# Altium PCB ControlBoard.PcbDoc (part 1 of 3) (continued)
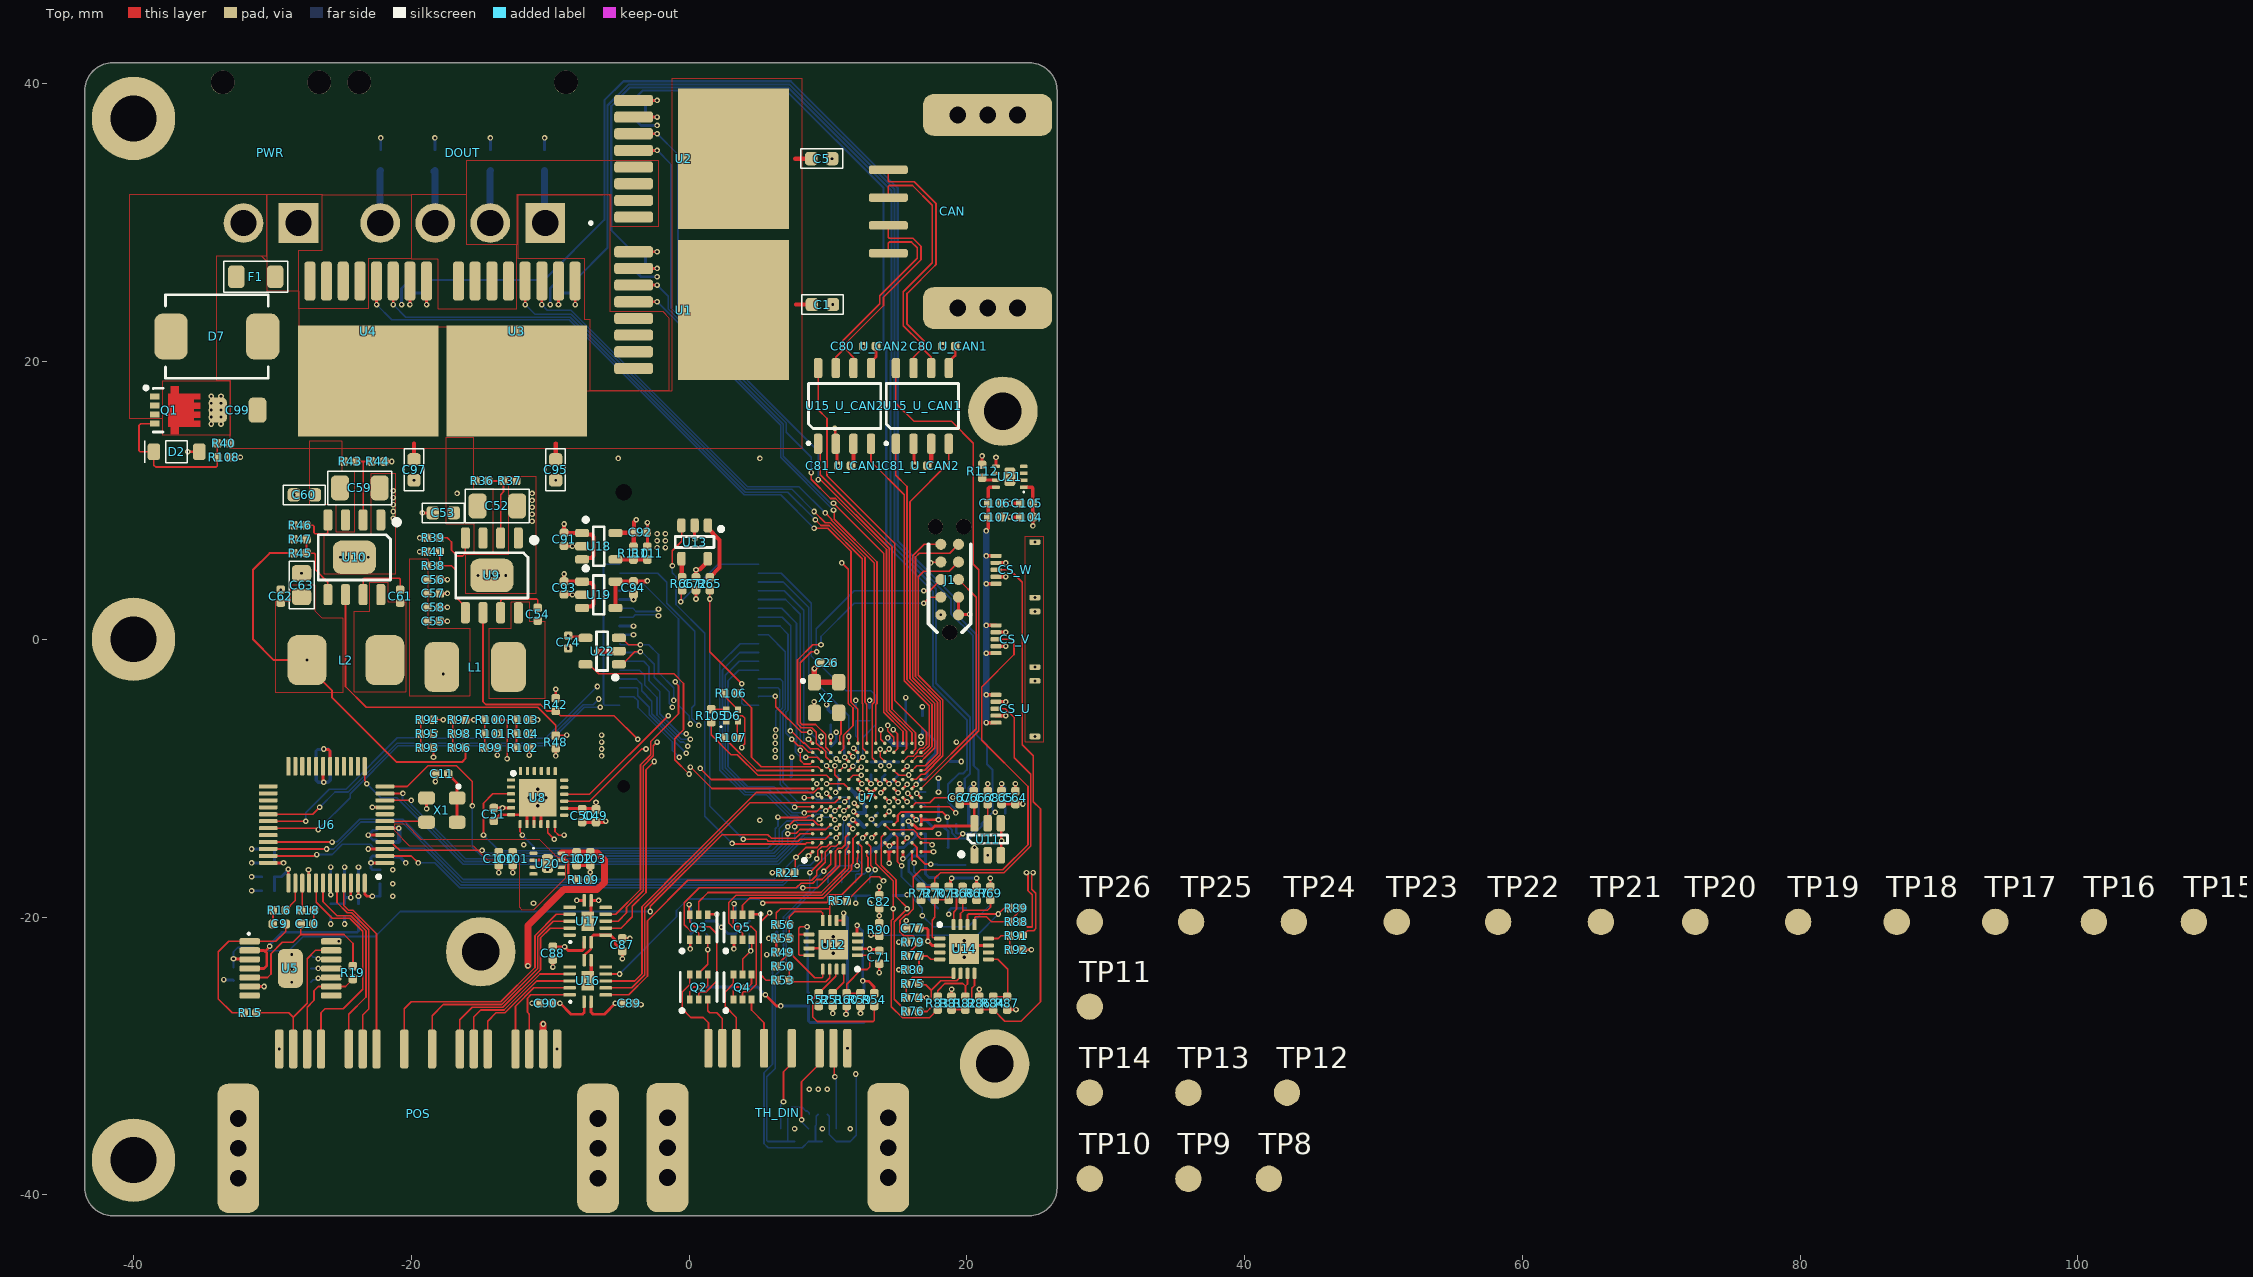
[diagram p0: Top view]
## Part data (continued)
D3 D4 D5: library part BAS16H, "Diode, Rectifier, Switching, Vr 75VDC, If 200MA, Pkg SOD-323, Vf 1250MV, Trr 6NS, Cj 2PF", Average Rectified Current=200mA, Breakdown Voltage=75V, Forward Voltage=715mV, Manufacturer=onsemi, Manufacturer Lifecycle Status=ACTIVE, Max Forward Surge Current (Ifsm)=500mA, Max Operating Temperature=150°C, Max Power Dissipation=200mW, Max Repetitive Reverse Voltage (Vrrm)=85V, Max Reverse Leakage Current=1µA, Max Reverse Voltage (DC)=100V, Max Surge Current=600mA, Min Operating Temperature=-55°C, Supplier Part Number=BAS16HT1GOSCT-ND, Category="Rectifier Diodes", China RoHS=Compliant, ComponentLink1Description=https://datasheet.octopart.com:443/BAS16HT1G-ON-Semiconductor-datasheet-115937.pdf?src-supplier=element14+APAC, ComponentLink1URL=https://datasheet.octopart.com:443/BAS16HT1G-ON-Semiconductor-datasheet-115937.pdf?src-supplier=element14+APAC, ComponentLink2Description=https://datasheet.octopart.com:443/BAS16HT1G-ON-Semiconductor-datasheet-67293425.pdf?src-supplier=element14+APAC, ComponentLink2URL=https://datasheet.octopart.com:443/BAS16HT1G-ON-Semiconductor-datasheet-67293425.pdf?src-supplier=element14+APAC, ComponentLink3Description=https://datasheet.octopart.com:443/BAS16HT1G-ON-Semiconductor-datasheet-86781274.pdf?src-supplier=element14+APAC, ComponentLink3URL=https://datasheet.octopart.com:443/BAS16HT1G-ON-Semiconductor-datasheet-86781274.pdf?src-supplier=element14+APAC, ComponentLink4Description=https://datasheet.octopart.com:443/BAS16HT1G-onsemi-datasheet-180957826.pdf?src-supplier=IHS, ComponentLink4URL=https://datasheet.octopart.com:443/BAS16HT1G-onsemi-datasheet-180957826.pdf?src-supplier=IHS, ComponentLink5Description=https://datasheet.octopart.com:443/BAS16HT1G-ON-Semiconductor-datasheet-30892817.pdf?src-supplier=IHS, ComponentLink5URL=https://datasheet.octopart.com:443/BAS16HT1G-ON-Semiconductor-datasheet-30892817.pdf?src-supplier=IHS, ComponentLink6Description=https://datasheet.octopart.com:443/BAS16HT1G-ON-Semiconductor-datasheet-33006779.pdf?src-supplier=Upverter, ComponentLink6URL=https://datasheet.octopart.com:443/BAS16HT1G-ON-Semiconductor-datasheet-33006779.pdf?src-supplier=Upverter, ComponentLink7Description=https://datasheet.octopart.com:443/BAS16HT1G-ON-Semiconductor-datasheet-137916682.pdf?src-supplier=onsemi, ComponentLink7URL=https://datasheet.octopart.com:443/BAS16HT1G-ON-Semiconductor-datasheet-137916682.pdf?src-supplier=onsemi, ComponentLink8Description=https://datasheet.octopart.com:443/BAS16HT1G-ON-Semiconductor-datasheet-86688369.pdf?src-supplier=onsemi, ComponentLink8URL=https://datasheet.octopart.com:443/BAS16HT1G-ON-Semiconductor-datasheet-86688369.pdf?src-supplier=onsemi, ComponentLink9Description=https://datasheet.octopart.com:443/BAS16HT1G-onsemi-datasheet-181958668.pdf?src-supplier=Newark, ComponentLink9URL=https://datasheet.octopart.com:443/BAS16HT1G-onsemi-datasheet-181958668.pdf?src-supplier=Newark, ComponentLink10Description=https://datasheet.octopart.com:443/BAS16HT1G-Fairchild-Semiconductor-datasheet-67878755.pdf?src-supplier=Newark, ComponentLink10URL=https://datasheet.octopart.com:443/BAS16HT1G-Fairchild-Semiconductor-datasheet-67878755.pdf?src-supplier=Newark, ComponentLink11Description=https://datasheet.octopart.com:443/BAS16HT1G-Fairchild-Semiconductor-datasheet-67809726.pdf?src-supplier=Newark, ComponentLink11URL=https://datasheet.octopart.com:443/BAS16HT1G-Fairchild-Semiconductor-datasheet-67809726.pdf?src-supplier=Newark, ComponentLink12Description=https://datasheet.octopart.com:443/BAS16HT1G-Fairchild-Semiconductor-datasheet-68558646.pdf?src-supplier=Newark, ComponentLink12URL=https://datasheet.octopart.com:443/BAS16HT1G-Fairchild-Semiconductor-datasheet-68558646.pdf?src-supplier=Newark, ComponentLink13Description=https://datasheet.octopart.com:443/BAS16HT1G-Fairchild-Semiconductor-datasheet-5362264.pdf?src-supplier=Fairchild+Semiconductor, ComponentLink13URL=https://datasheet.octopart.com:443/BAS16HT1G-Fairchild-Semiconductor-datasheet-5362264.pdf?src-supplier=Fairchild+Semiconductor, ComponentLink14Description=https://sigma.octopart.com:443/17344476/technical_drawing/Fairchild-Semiconductor-BAS16HT1G.pdf?src-supplier=Fairchild+Semiconductor, ComponentLink14URL=https://sigma.octopart.com:443/17344476/technical_drawing/Fairchild-Semiconductor-BAS16HT1G.pdf?src-supplier=Fairchild+Semiconductor, ComponentLink15Description=https://datasheet.octopart.com:443/BAS16HT1G-onsemi-datasheet-21771981.pdf?src-supplier=Master+Electronics, ComponentLink15URL=https://datasheet.octopart.com:443/BAS16HT1G-onsemi-datasheet-21771981.pdf?src-supplier=Master+Electronics, ComponentLink16Description=https://datasheet.octopart.com:443/BAS16HT1G-ON-Semiconductor-datasheet-17590349.pdf?src-supplier=TME, ComponentLink16URL=https://datasheet.octopart.com:443/BAS16HT1G-ON-Semiconductor-datasheet-17590349.pdf?src-supplier=TME, ComponentLink17Description=https://datasheet.octopart.com:443/BAS16HT1G-ON-Semiconductor-datasheet-14053657.pdf?src-supplier=iiiC, ComponentLink17URL=https://datasheet.octopart.com:443/BAS16HT1G-ON-Semiconductor-datasheet-14053657.pdf?src-supplier=iiiC, ComponentLink18Description=https://datasheet.octopart.com:443/BAS16HT1G-ON-Semiconductor-datasheet-9788525.pdf?src-supplier=RS+(Formerly+Allied+Electronics), ComponentLink18URL=https://datasheet.octopart.com:443/BAS16HT1G-ON-Semiconductor-datasheet-9788525.pdf?src-supplier=RS+(Formerly+Allied+Electronics), ComponentLink19Description=https://datasheet.octopart.com:443/BAS16HT1G-ON-Semiconductor-datasheet-8443271.pdf?src-supplier=Jameco, ComponentLink19URL=https://datasheet.octopart.com:443/BAS16HT1G-ON-Semiconductor-datasheet-8443271.pdf?src-supplier=Jameco, ComponentLink20Description=https://datasheet.octopart.com:443/BAS16HT1G-Fairchild-Semiconductor-datasheet-68652414.pdf?src-supplier=Farnell, ComponentLink20URL=https://datasheet.octopart.com:443/BAS16HT1G-Fairchild-Semiconductor-datasheet-68652414.pdf?src-supplier=Farnell, ComponentLink21Description=https://datasheet.octopart.com:443/BAS16HT1G-Fairchild-Semiconductor-datasheet-78857374.pdf?src-supplier=Farnell, ComponentLink21URL=https://datasheet.octopart.com:443/BAS16HT1G-Fairchild-Semiconductor-datasheet-78857374.pdf?src-supplier=Farnell, ComponentLink22Description=http://sigma.octopart.com:80/15540786/rohs_certificate/ON-Semiconductor-BAS16HT1G.pdf?src-supplier=Compliance+Statements, ComponentLink22URL=http://sigma.octopart.com:80/15540786/rohs_certificate/ON-Semiconductor-BAS16HT1G.pdf?src-supplier=Compliance+Statements, ComponentLink23Description=http://sigma.octopart.com:80/15674185/materials_sheet/ON-Semiconductor-BAS16HT1G.csv?src-supplier=Compliance+Statements, ComponentLink23URL=http://sigma.octopart.com:80/15674185/materials_sheet/ON-Semiconductor-BAS16HT1G.csv?src-supplier=Compliance+Statements, ComponentLink24Description=http://sigma.octopart.com:80/150603887/rohs_statement/ON-Semiconductor-BAS16HT1G.pdf?src-supplier=Compliance+Statements, ComponentLink24URL=http://sigma.octopart.com:80/150603887/rohs_statement/ON-Semiconductor-BAS16HT1G.pdf?src-supplier=Compliance+Statements, ComponentLink25Description=http://sigma.octopart.com:80/17344474/reach_statement/Fairchild-Semiconductor-BAS16HT1G.pdf?src-supplier=Compliance+Statements, ComponentLink25URL=http://sigma.octopart.com:80/17344474/reach_statement/Fairchild-Semiconductor-BAS16HT1G.pdf?src-supplier=Compliance+Statements, ComponentLink26Description=http://sigma.octopart.com:80/17344475/materials_sheet/Fairchild-Semiconductor-BAS16HT1G.pdf?src-supplier=Compliance+Statements, ComponentLink26URL=http://sigma.octopart.com:80/17344475/materials_sheet/Fairchild-Semiconductor-BAS16HT1G.pdf?src-supplier=Compliance+Statements, ComponentLink27Description=http://sigma.octopart.com:80/33049500/reach_statement/Fairchild-Semiconductor-BAS16HT1G.pdf?src-supplier=Compliance+Statements, ComponentLink27URL=http://sigma.octopart.com:80/33049500/reach_statement/Fairchild-Semiconductor-BAS16HT1G.pdf?src-supplier=Compliance+Statements, ComponentLink28Description=http://sigma.octopart.com:80/33049507/materials_sheet/Fairchild-Semiconductor-BAS16HT1G.pdf?src-supplier=Compliance+Statements, ComponentLink28URL=http://sigma.octopart.com:80/33049507/materials_sheet/Fairchild-Semiconductor-BAS16HT1G.pdf?src-supplier=Compliance+Statements, ComponentLink29Description=http://sigma.octopart.com:80/reach_statement/ON-Semiconductor-company-79.pdf?src-supplier=Compliance+Statements, ComponentLink29URL=http://sigma.octopart.com:80/reach_statement/ON-Semiconductor-company-79.pdf?src-supplier=Compliance+Statements, ComponentLink30Description=http://sigma.octopart.com:80/reach_statement/Fairchild-Semiconductor-company-9.pdf?src-supplier=Compliance+Statements, ComponentLink30URL=http://sigma.octopart.com:80/reach_statement/Fairchild-Semiconductor-company-9.pdf?src-supplier=Compliance+Statements, ComponentLink31Description=http://sigma.octopart.com:80/rohs_statement/Fairchild-Semiconductor-company-10.pdf?src-supplier=Compliance+Statements, ComponentLink31URL=http://sigma.octopart.com:80/rohs_statement/Fairchild-Semiconductor-company-10.pdf?src-supplier=Compliance+Statements, ComponentLink32Description=http://sigma.octopart.com:80/rohs_statement/Fairchild-Semiconductor-company-11.pdf?src-supplier=Compliance+Statements, ComponentLink32URL=http://sigma.octopart.com:80/rohs_statement/Fairchild-Semiconductor-company-11.pdf?src-supplier=Compliance+Statements, ComponentLink33Description=https://octopart.com:443/opatz8j6/c1?t=3sa6m3SxYoge9M9qGb4nmKLqBfrMfXhiJOp9hKZyxrh3ehL_BI6LOToHUMMaKyKket4Z1sj90yfHaTytxDd4kTrDgXQ_hpbHeYPETYjP_WAA8e26rBtBfn1_I3ReRiAJKkCOBeYfrSkepAVHT7WZ6faBb9xXyATk-AGWAiJUyc-olZRBf61e2PglA_o6oH6j0ZhWcjIMQr1OaZAsEemOypn9rSngJhyD2Q95BhY21uejmtdLxB3PfquCAALl-V8d6PzywhadjY_2sOYX1IRBN1ePsZlil2tKA3QQi1fpa_2NXZPSYNF3QM8W_-CjkL6rbjh6IOEZ1PtqSUWglJ_mpLUY0n0_jcKHQN0&src-supplier=Compliance+Statements, ComponentLink33URL=https://octopart.com:443/opatz8j6/c1?t=3sa6m3SxYoge9M9qGb4nmKLqBfrMfXhiJOp9hKZyxrh3ehL_BI6LOToHUMMaKyKket4Z1sj90yfHaTytxDd4kTrDgXQ_hpbHeYPETYjP_WAA8e26rBtBfn1_I3ReRiAJKkCOBeYfrSkepAVHT7WZ6faBb9xXyATk-AGWAiJUyc-olZRBf61e2PglA_o6oH6j0ZhWcjIMQr1OaZAsEemOypn9rSngJhyD2Q95BhY21uejmtdLxB3PfquCAALl-V8d6PzywhadjY_2sOYX1IRBN1ePsZlil2tKA3QQi1fpa_2NXZPSYNF3QM8W_-CjkL6rbjh6IOEZ1PtqSUWglJ_mpLUY0n0_jcKHQN0&src-supplier=Compliance+Statements, ComponentLink34Description=https://octopart.com:443/opatz8j6/c1?t=BeFj0GxZ0-VbTF2PfXHp6AnktMjJ4eXiHVy6Fo2zviSPGKYfBUukSRk8rDGnUJcdwRnP-ck7I8FMZezNYJ_1dK-dO54YBllHyBY0SnmYOKk1p3exRmhljXa6F2Bpgkcpr13sfMJDmDHTvXk40ahuM8IGb89TNn7vkLTl85aZ0H7gci15r64hfA7LHtbGW7rg3VX_V3sXUHsPHwOLj-ZkG6CcHSAMpHRU5QV5habCtdOmhiw0JT4yp_gLtU2Jo7wuRm4gw6v2ip48IG5kBRN8SehbmPIFgmt3ZxmeBnsXKDdBqXiqR7ew8NtlDUgnfFMGU43dhWEbA7nmL_UII0preXOLm51me80stQ&src-supplier=Compliance+Statements, ComponentLink34URL=https://octopart.com:443/opatz8j6/c1?t=BeFj0GxZ0-VbTF2PfXHp6AnktMjJ4eXiHVy6Fo2zviSPGKYfBUukSRk8rDGnUJcdwRnP-ck7I8FMZezNYJ_1dK-dO54YBllHyBY0SnmYOKk1p3exRmhljXa6F2Bpgkcpr13sfMJDmDHTvXk40ahuM8IGb89TNn7vkLTl85aZ0H7gci15r64hfA7LHtbGW7rg3VX_V3sXUHsPHwOLj-ZkG6CcHSAMpHRU5QV5habCtdOmhiw0JT4yp_gLtU2Jo7wuRm4gw6v2ip48IG5kBRN8SehbmPIFgmt3ZxmeBnsXKDdBqXiqR7ew8NtlDUgnfFMGU43dhWEbA7nmL_UII0preXOLm51me80stQ&src-supplier=Compliance+Statements, Contact Plating=Tin, Current Rating=200mA, Element Configuration=Single, Forward Current=200mA, Height=900µm, Lead Free="Lead Free", Length=1.7mm, Lifecycle Status=Production, Manufacturer Part Number=BAS16HT1G, Max Output current=200mA, Mounting Technology="Surface Mount", Number of Elements=1, Number of Terminals=2, Output Current=200mA, Packaging="Tape and Reel", Peak Non-Repetitive Surge Current=600mA, Peak Reverse Current=1µA, Pins=2, Polarity=Standard, Power Dissipation=200mW, Pricing="1=0,1, 10=0,049, 100=0,0422, 500=0,03042, 1000=0,02655 (USD)", Radiation Hardening=No, REACH SVHC=No, Recovery Time=6ns, Reverse Recovery Time=6ns, Reverse Standoff Voltage=85V, Reverse Voltage=85V, RoHS=Compliant, Schedule B="8541100070, 8541100070|8541100070|8541100070|8541100070|8541100070", Stock=518468, Supplier=DigiKey, Supplier 1=DigiKey, Supplier Part Number 1=BAS16HT1GOSCT-ND, Voltage Rating (DC)=75V, Weight=33mg, Width=1.25mm
D6: "LED Tri-Color Blue/Green/Red 468nm/518nm/632nm 4-Pin SMD T/R", Case Code (Imperial)=0404, Case Code (Metric)=1010, Color="Blue, Green, Red", Forward Current=30mA, Forward Voltage=2.73V, Lens Color="Clear, Colorless", Manufacturer=Lumex, Max Operating Temperature=85°C, Min Operating Temperature=-40°C, Power Rating=30mW, Reverse Voltage=5V, Supplier Part Number=67-2125-1-ND, Test Current=2mA, Case/Package=0404, Category=LEDs, China RoHS=Compliant, ComponentLink1Description=https://datasheet.octopart.com:443/SML-LX0404SIUPGUSB-Lumex-datasheet-180611911.pdf?src-supplier=IHS, ComponentLink1URL=https://datasheet.octopart.com:443/SML-LX0404SIUPGUSB-Lumex-datasheet-180611911.pdf?src-supplier=IHS, ComponentLink2Description=https://datasheet.octopart.com:443/SML-LX0404SIUPGUSB-Lumex-datasheet-43153159.pdf?src-supplier=Upverter, ComponentLink2URL=https://datasheet.octopart.com:443/SML-LX0404SIUPGUSB-Lumex-datasheet-43153159.pdf?src-supplier=Upverter, ComponentLink3Description=https://datasheet.octopart.com:443/SML-LX0404SIUPGUSB-Lumex-datasheet-21230143.pdf?src-supplier=element14+APAC, ComponentLink3URL=https://datasheet.octopart.com:443/SML-LX0404SIUPGUSB-Lumex-datasheet-21230143.pdf?src-supplier=element14+APAC, ComponentLink4Description=https://datasheet.octopart.com:443/SML-LX0404SIUPGUSB-Lumex-datasheet-28835211.pdf?src-supplier=element14+APAC, ComponentLink4URL=https://datasheet.octopart.com:443/SML-LX0404SIUPGUSB-Lumex-datasheet-28835211.pdf?src-supplier=element14+APAC, ComponentLink5Description=https://datasheet.octopart.com:443/SML-LX0404SIUPGUSB-Lumex-datasheet-62120010.pdf?src-supplier=Master+Electronics, ComponentLink5URL=https://datasheet.octopart.com:443/SML-LX0404SIUPGUSB-Lumex-datasheet-62120010.pdf?src-supplier=Master+Electronics, ComponentLink6Description=https://datasheet.octopart.com:443/SML-LX0404SIUPGUSB-Lumex-datasheet-139013812.pdf?src-supplier=TME, ComponentLink6URL=https://datasheet.octopart.com:443/SML-LX0404SIUPGUSB-Lumex-datasheet-139013812.pdf?src-supplier=TME, ComponentLink7Description=https://datasheet.octopart.com:443/SML-LX0404SIUPGUSB-Lumex-datasheet-33469811.pdf?src-supplier=RS+(Formerly+Allied+Electronics), ComponentLink7URL=https://datasheet.octopart.com:443/SML-LX0404SIUPGUSB-Lumex-datasheet-33469811.pdf?src-supplier=RS+(Formerly+Allied+Electronics), ComponentLink8Description=https://datasheet.octopart.com:443/SML-LX0404SIUPGUSB-Lumex-datasheet-12537431.pdf?src-supplier=Future+Electronics, ComponentLink8URL=https://datasheet.octopart.com:443/SML-LX0404SIUPGUSB-Lumex-datasheet-12537431.pdf?src-supplier=Future+Electronics, Height=250µm, Lead Free="Lead Free", Length=1mm, Lens Style="Clear, Rectangular, Square", Lens Transparency=Clear, Lifecycle Status=Production, Luminous Intensity=20mcd, Manufacturer Part Number=SML-LX0404SIUPGUSB, Mounting Technology="Surface Mount", Number of Circuits=1, Number of LEDs=3, Number of Terminals=4, Packaging="Cut Tape", Pricing="1=1,06, 10=0,743, 100=0,5504, 500=0,4646, 1000=0,43654 (USD)", REACH SVHC=Yes, RoHS=Compliant, Schedule B=8541402000, Shape=Square, Stock=85374, Supplier=DigiKey, Supplier 1=DigiKey, Supplier Part Number 1=67-2125-1-ND, Viewing Angle=120°, Wavelength=465nm, Width=1mm
D7: library part SMCJ54CA, "Trans Voltage Suppressor Diode, 1500W, 54V V(RWM), Bidirectional, 1 Element, Silicon, DO-214AB", Breakdown Voltage=63.15V, Case/Package=SMC, Clamping Voltage=87.1V, Leakage Current=1µA, Manufacturer=Vishay, Max Breakdown Voltage=66.3V, Max Junction Temperature (Tj)=150°C, Max Power Dissipation=6.5W, Max Surge Current=200A, Min Breakdown Voltage=60V, Min Operating Temperature=-55°C, Operating Supply Voltage=54V, Peak Pulse Current=17.2A, Peak Pulse Power=1.5kW, Power Line Protection=No, Supplier Part Number=SMCJ54CA-E3/9AT-ND, Test Current=1mA, Category="TVS Diodes", China RoHS=Non-Compliant, ComponentLink1Description=https://datasheet.octopart.com:443/SMCJ54CA-E3-9AT-Vishay-datasheet-164762082.pdf?src-supplier=IHS, ComponentLink1URL=https://datasheet.octopart.com:443/SMCJ54CA-E3-9AT-Vishay-datasheet-164762082.pdf?src-supplier=IHS, ComponentLink2Description=https://datasheet.octopart.com:443/SMCJ54CA-E3-9AT-Vishay-Semiconductor-datasheet-138899015.pdf?src-supplier=Upverter, ComponentLink2URL=https://datasheet.octopart.com:443/SMCJ54CA-E3-9AT-Vishay-Semiconductor-datasheet-138899015.pdf?src-supplier=Upverter, ComponentLink3Description=https://sigma.octopart.com:443/138898641/technical_drawing/Vishay-Semiconductor-SMCJ54CA-E3-9AT.pdf?src-supplier=Upverter, ComponentLink3URL=https://sigma.octopart.com:443/138898641/technical_drawing/Vishay-Semiconductor-SMCJ54CA-E3-9AT.pdf?src-supplier=Upverter, ComponentLink4Description=https://datasheet.octopart.com:443/SMCJ54CA-E3/9AT-Vishay-datasheet-11546720.pdf?src-supplier=Arrow+Electronics, ComponentLink4URL=https://datasheet.octopart.com:443/SMCJ54CA-E3/9AT-Vishay-datasheet-11546720.pdf?src-supplier=Arrow+Electronics, ComponentLink5Description=http://sigma.octopart.com:80/rohs_statement/Vishay-company-15.pdf?src-supplier=Compliance+Statements, ComponentLink5URL=http://sigma.octopart.com:80/rohs_statement/Vishay-company-15.pdf?src-supplier=Compliance+Statements, Composition=Zener, Direction=Bidirectional, Element Configuration=Single, Height=2.62mm, Lifecycle Status=Production, Manufacturer Part Number=SMCJ54CA-E3/9AT, Max Operating Temperature=150°C, Max Reverse Leakage Current=1µA, Mounting Technology="Surface Mount", Number of Bidirectional Channels=1, Number of Channels=1, Number of Elements=1, Number of Terminals=2, Pins=2, Polarity=Bidirectional, Pricing="3500=0,181, 24500=0,1805 (USD)", REACH SVHC=No, Reverse Breakdown Voltage=60V, Reverse Standoff Voltage=54V, RoHS=Compliant, Supplier=DigiKey, Supplier 1=DigiKey, Supplier Part Number 1=SMCJ54CA-E3/9AT-ND
DOUT: library part HRS_DF63-4P-3.96DS, Supplier Part Number 1=DF63-4P-3.96DS-ND, Supplier 1=DigiKey
F1: "Fuse Chip Fast Acting 10A 125V SMD Solder Pad 1206 3.2 X 1.58 X 0.65mm Ceramic", Current Rating=10A, Manufacturer="Bel Fuse", Max Operating Temperature=125°C, Min Operating Temperature=-55°C, Supplier Part Number=5923-0685H9100-01CT-ND, Voltage Rating (AC)=125V, Voltage Rating (DC)=32V, Category=Fuses, China RoHS=Compliant, ComponentLink1Description=https://datasheet.octopart.com:443/0685H9100-01-Bel-Fuse-datasheet-137317061.pdf?src-supplier=IHS, ComponentLink1URL=https://datasheet.octopart.com:443/0685H9100-01-Bel-Fuse-datasheet-137317061.pdf?src-supplier=IHS, ComponentLink2Description=https://datasheet.octopart.com:443/0685H9100-01-Bel-Fuse-datasheet-104408181.pdf?src-supplier=element14+APAC, ComponentLink2URL=https://datasheet.octopart.com:443/0685H9100-01-Bel-Fuse-datasheet-104408181.pdf?src-supplier=element14+APAC, Height=650µm, Length=3.2mm, Lifecycle Status=Production, Manufacturer Part Number=0685H9100-01, Mounting Technology="Surface Mount", Pricing="1=0,36, 5=0,302, 10=0,278, 50=0,2308, 100=0,213, 250=0,19152, 500=0,17666, 1000=0,16294 (USD)", REACH SVHC=Yes, RoHS=Compliant, Schedule B="8536100040, 8536100040|8536100040|8536100040|8536100040|8536100040", Stock=123363, Supplier=DigiKey, Supplier 1=DigiKey, Supplier Part Number 1=5923-0685H9100-01CT-ND, Time to Trip=5s
FB1: "FERRITE BEAD 120 OHM 0603 1LN", Manufacturer="Taiyo Yuden", Supplier Part Number=587-1731-1-ND, Category="Ferrite Beads and Chips", ComponentLink1Description=https://datasheet.ciiva.com/16001/104fbmh1608hl121-t-16001055.pdf?src-supplier=Onlinecomponents.com, ComponentLink1URL=https://datasheet.ciiva.com/16001/104fbmh1608hl121-t-16001055.pdf?src-supplier=Onlinecomponents.com, ComponentLink2Description=https://datasheet.ciiva.com/7966/fbmh1608hl121-t-ss-7966161.pdf?src-supplier=Element14, ComponentLink2URL=https://datasheet.ciiva.com/7966/fbmh1608hl121-t-ss-7966161.pdf?src-supplier=Element14, ComponentLink3Description=https://datasheet.ciiva.com/30209/fbmh1608hl121-t-30209463.pdf?src-supplier=Onlinecomponents.com, ComponentLink3URL=https://datasheet.ciiva.com/30209/fbmh1608hl121-t-30209463.pdf?src-supplier=Onlinecomponents.com, ComponentLink4Description=https://datasheet.ciiva.com/25612/0900766b810b37be-25612388.pdf?src-supplier=Rs, ComponentLink4URL=https://datasheet.ciiva.com/25612/0900766b810b37be-25612388.pdf?src-supplier=Rs, ComponentLink5Description=https://datasheet.ciiva.com/1012/chipbeads01-e-1012500.pdf?src-supplier=Digikey, ComponentLink5URL=https://datasheet.ciiva.com/1012/chipbeads01-e-1012500.pdf?src-supplier=Digikey, ComponentLink6Description=https://datasheet.ciiva.com/1012/chipbeads01-e-1012501.pdf?src-supplier=Digikey, ComponentLink6URL=https://datasheet.ciiva.com/1012/chipbeads01-e-1012501.pdf?src-supplier=Digikey, ComponentLink7Description=https://datasheet.ciiva.com/1012/chipbeads01-e-1012502.pdf?src-supplier=Digikey, ComponentLink7URL=https://datasheet.ciiva.com/1012/chipbeads01-e-1012502.pdf?src-supplier=Digikey, Manufacturer Part Number=FBMH1608HL121-T, Pricing="1=0,17, 10=0,118, 25=0,1024, 50=0,0916, 100=0,082, 250=0,07028, 500=0,06222, 1000=0,05476 (USD)", RoHS=Yes, Stock=4210, Supplier=Digikey, Supplier 1=Digikey, Supplier Part Number 1=587-1731-1-ND
J1: "TagConnect TC2050-IDC-NL"
L1: library part ETQP4M150KFM, "Power Inductor, 15Uh, Shielded, 7.2A Rohs Compliant: Yes", DC Resistance (DCR)=66.77mΩ, Manufacturer=Panasonic, Max Current Rating=4.6A, Max Operating Temperature=150°C, Min Operating Temperature=-40°C, Supplier Part Number=10-ETQ-P4M150KFMCT-ND, Test Frequency=100kHz, Tolerance=20%, Category="Fixed Inductors", ComponentLink1Description=https://datasheet.octopart.com:443/ETQP4M150KFM-Panasonic-datasheet-180975443.pdf?src-supplier=IHS, ComponentLink1URL=https://datasheet.octopart.com:443/ETQP4M150KFM-Panasonic-datasheet-180975443.pdf?src-supplier=IHS, Height=4.8mm, Inductance=15µH, Lifecycle Status=Production, Manufacturer Part Number=ETQP4M150KFM, Number of Circuits=1, Number of Terminals=2, Pricing="1=0,76, 10=0,623, 25=0,5768, 50=0,5438, 100=0,5126, 250=0,47424 (USD)", REACH SVHC=Yes, RoHS=Compliant, Shielding=Yes, Stock=1970, Supplier=DigiKey, Supplier 1=DigiKey, Supplier Part Number 1=10-ETQ-P4M150KFMCT-ND, Width=7mm
L2: library part ETQP5M470YFM, "Power Choke Shielded Wirewound 48uH 20% 100KHz Metal 2.9A 0.172Ohm DCR Automotive T/R", Case/Package=Metal, Current=19A, DC Resistance (DCR)=172mΩ, Inductance Tolerance=20%, Manufacturer=Panasonic, Max Current Rating=2.9A, Max DC Current=1A, Max Operating Temperature=150°C, Min Operating Temperature=-40°C, RMS Current (Irms)=2.3A, Saturation Current=4.1A, Supplier Part Number=PCD2319CT-ND, Test Frequency=100kHz, Category="Fixed Inductors", ComponentLink1Description=https://datasheet.octopart.com:443/ETQP5M470YFM-Panasonic-datasheet-180975438.pdf?src-supplier=IHS, ComponentLink1URL=https://datasheet.octopart.com:443/ETQP5M470YFM-Panasonic-datasheet-180975438.pdf?src-supplier=IHS, ComponentLink2Description=https://datasheet.octopart.com:443/ETQP5M470YFM-Panasonic-datasheet-97125960.pdf?src-supplier=Upverter, ComponentLink2URL=https://datasheet.octopart.com:443/ETQP5M470YFM-Panasonic-datasheet-97125960.pdf?src-supplier=Upverter, ComponentLink3Description=https://datasheet.octopart.com:443/ETQP5M470YFM-Panasonic-datasheet-8818269.pdf?src-supplier=element14+APAC, ComponentLink3URL=https://datasheet.octopart.com:443/ETQP5M470YFM-Panasonic-datasheet-8818269.pdf?src-supplier=element14+APAC, ComponentLink4Description=https://datasheet.octopart.com:443/ETQP5M470YFM-Panasonic-datasheet-136612417.pdf?src-supplier=Newark, ComponentLink4URL=https://datasheet.octopart.com:443/ETQP5M470YFM-Panasonic-datasheet-136612417.pdf?src-supplier=Newark, ComponentLink5Description=https://datasheet.octopart.com:443/ETQP5M470YFM-Panasonic-datasheet-10622521.pdf?src-supplier=Newark, ComponentLink5URL=https://datasheet.octopart.com:443/ETQP5M470YFM-Panasonic-datasheet-10622521.pdf?src-supplier=Newark, ComponentLink6Description=https://datasheet.octopart.com:443/ETQP5M470YFM-Panasonic-datasheet-81843036.pdf?src-supplier=Newark, ComponentLink6URL=https://datasheet.octopart.com:443/ETQP5M470YFM-Panasonic-datasheet-81843036.pdf?src-supplier=Newark, ComponentLink7Description=https://datasheet.octopart.com:443/ETQ-P5M470YFM-Panasonic-datasheet-78862187.pdf?src-supplier=Newark, ComponentLink7URL=https://datasheet.octopart.com:443/ETQ-P5M470YFM-Panasonic-datasheet-78862187.pdf?src-supplier=Newark, ComponentLink8Description=https://datasheet.octopart.com:443/ETQP5M470YFM-Panasonic-datasheet-103789982.pdf?src-supplier=Farnell, ComponentLink8URL=https://datasheet.octopart.com:443/ETQP5M470YFM-Panasonic-datasheet-103789982.pdf?src-supplier=Farnell, ComponentLink9Description=https://datasheet.octopart.com:443/ETQP5M470YFM-Panasonic-datasheet-13535884.pdf?src-supplier=Farnell, ComponentLink9URL=https://datasheet.octopart.com:443/ETQP5M470YFM-Panasonic-datasheet-13535884.pdf?src-supplier=Farnell, ComponentLink10Description=https://datasheet.octopart.com:443/ETQ-P5M470YFM-Panasonic-datasheet-154766191.pdf?src-supplier=Master+Electronics, ComponentLink10URL=https://datasheet.octopart.com:443/ETQ-P5M470YFM-Panasonic-datasheet-154766191.pdf?src-supplier=Master+Electronics, ComponentLink11Description=https://datasheet.octopart.com:443/ETQ-P5M470YFM-Panasonic-datasheet-140363995.pdf?src-supplier=Master+Electronics, ComponentLink11URL=https://datasheet.octopart.com:443/ETQ-P5M470YFM-Panasonic-datasheet-140363995.pdf?src-supplier=Master+Electronics, ComponentLink12Description=https://datasheet.octopart.com:443/ETQ-P5M470YFM-Panasonic-datasheet-8835794.pdf?src-supplier=Factory+Futures, ComponentLink12URL=https://datasheet.octopart.com:443/ETQ-P5M470YFM-Panasonic-datasheet-8835794.pdf?src-supplier=Factory+Futures, ComponentLink13Description=https://datasheet.octopart.com:443/ETQP5M470YFM-Panasonic-datasheet-7823580.pdf?src-supplier=element14, ComponentLink13URL=https://datasheet.octopart.com:443/ETQP5M470YFM-Panasonic-datasheet-7823580.pdf?src-supplier=element14, ComponentLink14Description=https://datasheet.octopart.com:443/ETQP5M470YFM-Panasonic-datasheet-61114973.pdf?src-supplier=Future+Electronics, ComponentLink14URL=https://datasheet.octopart.com:443/ETQP5M470YFM-Panasonic-datasheet-61114973.pdf?src-supplier=Future+Electronics, ComponentLink15Description=https://datasheet.octopart.com:443/ETQP5M470YFM-Panasonic-datasheet-156876476.pdf?src-supplier=TME, ComponentLink15URL=https://datasheet.octopart.com:443/ETQP5M470YFM-Panasonic-datasheet-156876476.pdf?src-supplier=TME, ComponentLink16Description=https://sigma.octopart.com:443/150570891/technical_drawing/Panasonic-ETQP5M470YFM.pdf?src-supplier=Panasonic+SCT, ComponentLink16URL=https://sigma.octopart.com:443/150570891/technical_drawing/Panasonic-ETQP5M470YFM.pdf?src-supplier=Panasonic+SCT, ComponentLink17Description=https://datasheet.octopart.com:443/ETQ-P5M470YFM-Panasonic-datasheet-31830631.pdf?src-supplier=Electro+Sonic, ComponentLink17URL=https://datasheet.octopart.com:443/ETQ-P5M470YFM-Panasonic-datasheet-31830631.pdf?src-supplier=Electro+Sonic, Core Material="Composite, Metal", Depth=7.9mm, ESR=172mΩ, Height=5.4mm, Inductance=48µH, Lead Free="Lead Free", Length=7.5mm, Lifecycle Status=Production, Manufacturer Part Number=ETQP5M470YFM, Military Standard=Not, Mounting Technology="Surface Mount", Number of Circuits=1, Number of Terminals=2, Pins=2, Pricing="1=1,06, 10=0,872, 25=0,8068, 50=0,7606, 100=0,7171, 250=0,66348 (USD)", Radiation Hardening=No, REACH SVHC=Yes, RoHS=Compliant, Schedule B=8504500000, Shielding=Yes, Supplier=DigiKey, Supplier 1=DigiKey, Supplier Part Number 1=PCD2319CT-ND, Termination=SMD/SMT, Tolerance=20%, Width=7mm
POS: "Automotive Conn, R/A Header, 16Pos, 2A Rohs Compliant: Yes", Manufacturer="HIROSE ELECTRIC", Max Operating Temperature=125°C, Min Operating Temperature=-40°C, Supplier Part Number=26-ZE05-16DP-2HCT-ND, Category="Card Edge Connectors", ComponentLink1Description=https://datasheet.octopart.com:443/ZE05-16DP-2H-HIROSE-ELECTRIC-datasheet-180012703.pdf?src-supplier=IHS, ComponentLink1URL=https://datasheet.octopart.com:443/ZE05-16DP-2H-HIROSE-ELECTRIC-datasheet-180012703.pdf?src-supplier=IHS, ComponentLink2Description=https://datasheet.octopart.com:443/ZE05-16DP-2H-HIROSE-ELECTRIC-datasheet-189101943.pdf?src-supplier=Master+Electronics, ComponentLink2URL=https://datasheet.octopart.com:443/ZE05-16DP-2H-HIROSE-ELECTRIC-datasheet-189101943.pdf?src-supplier=Master+Electronics, ComponentLink3Description=https://datasheet.octopart.com:443/ZE05-16DP-2H-HIROSE-ELECTRIC-datasheet-188748195.pdf?src-supplier=Master+Electronics, ComponentLink3URL=https://datasheet.octopart.com:443/ZE05-16DP-2H-HIROSE-ELECTRIC-datasheet-188748195.pdf?src-supplier=Master+Electronics, ComponentLink4Description=https://datasheet.octopart.com:443/ZE05-16DP-2H-HIROSE-ELECTRIC-datasheet-181928072.pdf?src-supplier=Electro+Sonic, ComponentLink4URL=https://datasheet.octopart.com:443/ZE05-16DP-2H-HIROSE-ELECTRIC-datasheet-181928072.pdf?src-supplier=Electro+Sonic, ComponentLink5Description=https://datasheet.octopart.com:443/ZE05-16DP-2H-Hirose-datasheet-141146741.pdf?src-supplier=Hirose+SCT, ComponentLink5URL=https://datasheet.octopart.com:443/ZE05-16DP-2H-Hirose-datasheet-141146741.pdf?src-supplier=Hirose+SCT, ComponentLink6Description=https://sigma.octopart.com:443/145369985/technical_drawing/Hirose-ZE05-16DP-2H.pdf?src-supplier=Hirose+SCT, ComponentLink6URL=https://sigma.octopart.com:443/145369985/technical_drawing/Hirose-ZE05-16DP-2H.pdf?src-supplier=Hirose+SCT, ComponentLink7Description=https://datasheet.octopart.com:443/ZE05-16DP-2H-HIROSE-ELECTRIC-datasheet-176457996.pdf?src-supplier=Future+Electronics, ComponentLink7URL=https://datasheet.octopart.com:443/ZE05-16DP-2H-HIROSE-ELECTRIC-datasheet-176457996.pdf?src-supplier=Future+Electronics, ComponentLink8Description=https://datasheet.octopart.com:443/ZE05-16DP-2H-Hirose-datasheet-158236516.pdf?src-supplier=Future+Electronics, ComponentLink8URL=https://datasheet.octopart.com:443/ZE05-16DP-2H-Hirose-datasheet-158236516.pdf?src-supplier=Future+Electronics, ComponentLink9Description=https://datasheet.octopart.com:443/ZE05-16DP-2H-Hirose-datasheet-168215454.pdf?src-supplier=TME, ComponentLink9URL=https://datasheet.octopart.com:443/ZE05-16DP-2H-Hirose-datasheet-168215454.pdf?src-supplier=TME, Connector Type=Receptacle, Height=8.84mm, Length=28.52mm, Lifecycle Status=Production, Manufacturer Part Number=ZE05-16DP-2H, Orientation="Right Angle", Pins=16, Pricing="1=2,43, 10=2,068, 25=1,9384, 50=1,8458, 100=1,7576 (USD)", REACH SVHC=Yes, RoHS=Compliant, Stock=286, Supplier=DigiKey, Supplier 1=DigiKey, Supplier Part Number 1=26-ZE05-16DP-2HCT-ND, Width=14.8mm
PWR: library part HRS_DF63-2P-3.96DS
Q1: "Single N-Channel Power MOSFET 60V, 20A, 26.5mΩ 1500 / Tape & Reel", Continuous Drain Current (ID)=7.82A, Drain to Source Breakdown Voltage=60V, Drain to Source Resistance=42.5mΩ, Gate to Source Voltage (Vgs)=20V, Manufacturer=onsemi, Manufacturer Lifecycle Status=ACTIVE, Max Junction Temperature (Tj)=175°C, Min Operating Temperature=-55°C, Power Dissipation=3W, Supplier Part Number=NVTFS5C680NLTAGOSCT-ND, Category=MOSFETs, China RoHS=Non-Compliant, ComponentLink1Description=https://datasheet.octopart.com:443/NVTFS5C680NLTAG-onsemi-datasheet-156001634.pdf?src-supplier=IHS, ComponentLink1URL=https://datasheet.octopart.com:443/NVTFS5C680NLTAG-onsemi-datasheet-156001634.pdf?src-supplier=IHS, ComponentLink2Description=https://sigma.octopart.com:443/138898242/technical_drawing/onsemi-NVTFS5C680NLTAG.pdf?src-supplier=Upverter, ComponentLink2URL=https://sigma.octopart.com:443/138898242/technical_drawing/onsemi-NVTFS5C680NLTAG.pdf?src-supplier=Upverter, ComponentLink3Description=https://datasheet.octopart.com:443/NVTFS5C680NLTAG-ON-Semiconductor-datasheet-139013615.pdf?src-supplier=Electro+Sonic, ComponentLink3URL=https://datasheet.octopart.com:443/NVTFS5C680NLTAG-ON-Semiconductor-datasheet-139013615.pdf?src-supplier=Electro+Sonic, ComponentLink4Description=https://datasheet.octopart.com:443/NVTFS5C680NLTAG-ON-Semiconductor-datasheet-68307394.pdf?src-supplier=onsemi, ComponentLink4URL=https://datasheet.octopart.com:443/NVTFS5C680NLTAG-ON-Semiconductor-datasheet-68307394.pdf?src-supplier=onsemi, ComponentLink5Description=http://sigma.octopart.com:80/150630591/rohs_statement/ON-Semiconductor-NVTFS5C680NLTAG.pdf?src-supplier=Compliance+Statements, ComponentLink5URL=http://sigma.octopart.com:80/150630591/rohs_statement/ON-Semiconductor-NVTFS5C680NLTAG.pdf?src-supplier=Compliance+Statements, ComponentLink6Description=http://sigma.octopart.com:80/reach_statement/ON-Semiconductor-company-79.pdf?src-supplier=Compliance+Statements, ComponentLink6URL=http://sigma.octopart.com:80/reach_statement/ON-Semiconductor-company-79.pdf?src-supplier=Compliance+Statements, ComponentLink7Description=https://octopart.com:443/opatz8j6/c1?t=ArcHL9UVBtlnzVgGHBfE7a_h9s1YCUtyd8EDdrHC2PTUW_HO2F9quOn9Y5qfsPY5s_Zyk4nkk7QJz5arH-e3I-c2JgQX-GlOuwlXsGSnoa6izDJP0gTMAvJ8KuOelPQbjo9v-EU_jN9aE1yl8YbPbWwLo9E9kCztZ3rs5Vyvwbjj-VOdYIXD0ftJl_GLyja-EMH9toYYVXBKtPNt2Lro4vR8BXDVQfe8Ht8DVJ2QjP2pCJLbDj8K3xepgBTNK6OdPZyth80JI6fQIq3nxLqte9py_zn8nzyBerFRCf-pzXU6IvNc9lywlFQuURd4V-3OjG2V8Rdw4KbLbxH9GkL7AtSek62PVATgeyEUN7Kc7PnaZg&src-supplier=Compliance+Statements, ComponentLink7URL=https://octopart.com:443/opatz8j6/c1?t=ArcHL9UVBtlnzVgGHBfE7a_h9s1YCUtyd8EDdrHC2PTUW_HO2F9quOn9Y5qfsPY5s_Zyk4nkk7QJz5arH-e3I-c2JgQX-GlOuwlXsGSnoa6izDJP0gTMAvJ8KuOelPQbjo9v-EU_jN9aE1yl8YbPbWwLo9E9kCztZ3rs5Vyvwbjj-VOdYIXD0ftJl_GLyja-EMH9toYYVXBKtPNt2Lro4vR8BXDVQfe8Ht8DVJ2QjP2pCJLbDj8K3xepgBTNK6OdPZyth80JI6fQIq3nxLqte9py_zn8nzyBerFRCf-pzXU6IvNc9lywlFQuURd4V-3OjG2V8Rdw4KbLbxH9GkL7AtSek62PVATgeyEUN7Kc7PnaZg&src-supplier=Compliance+Statements, ComponentLink8Description=https://octopart.com:443/opatz8j6/c1?t=h028ATufzzsJULRA869P7SZdp-Wpt_KrC2RqInijH6hskcWW-EmMUlj6YmKXcR85Vsly7Dd6lRvBMnUsxBjqw7HuW468MJPRVMESG6AfSRrF3fc7wNxoHbnHWYy9p2S6yWE15ZT_C0ePY1I1Pr14F-IoE6e51Hjtjgr99Pia2upkj5Jfun9iC7CH3qbYtMOLk3beEKJxRaW3SuxADs7wRVUmiQJqOo6xhMZPamc0Oi3UyJXbS9Rbe3KTkBNR1sUivbaF_XMKqIelNr3QkLPL63EEAlWLzFVl9DhtTJXBY2-FGDPyIlfr2SKAZRmrwAymqeP9bpEpz5eT7QN5mmgp67ypEV-l3fKOUDoZ6FfOr0nO474&src-supplier=Compliance+Statements, ComponentLink8URL=https://octopart.com:443/opatz8j6/c1?t=h028ATufzzsJULRA869P7SZdp-Wpt_KrC2RqInijH6hskcWW-EmMUlj6YmKXcR85Vsly7Dd6lRvBMnUsxBjqw7HuW468MJPRVMESG6AfSRrF3fc7wNxoHbnHWYy9p2S6yWE15ZT_C0ePY1I1Pr14F-IoE6e51Hjtjgr99Pia2upkj5Jfun9iC7CH3qbYtMOLk3beEKJxRaW3SuxADs7wRVUmiQJqOo6xhMZPamc0Oi3UyJXbS9Rbe3KTkBNR1sUivbaF_XMKqIelNr3QkLPL63EEAlWLzFVl9DhtTJXBY2-FGDPyIlfr2SKAZRmrwAymqeP9bpEpz5eT7QN5mmgp67ypEV-l3fKOUDoZ6FfOr0nO474&src-supplier=Compliance+Statements, Drain to Source Voltage (Vdss)=60V, Height=800µm, Lifecycle Status=Production, Manufacturer Part Number=NVTFS5C680NLTAG, Max Operating Temperature=175°C, Min Breakdown Voltage=60V, Number of Channels=1, Number of Elements=1, Number of Terminals=5, Pricing="1=1,18, 10=0,765, 100=0,5641, 500=0,44842 (USD)", REACH SVHC=No, RoHS=Compliant, Schedule B=8541290080, Stock=6169, Supplier=DigiKey, Supplier 1=DigiKey, Supplier Part Number 1=NVTFS5C680NLTAGOSCT-ND, Turn-Off Delay Time=13ns, Turn-On Delay Time=6.5ns
Q2 Q4: "MOSFET 2P-CH 20V 1.3A SC70-6", Continuous Drain Current (ID)=1.3A, Drain to Source Resistance=490mR, Drain to Source Voltage (Vdss)=20V, Gate to Source Voltage (Vgs)=8V, Input Capacitance=110pF, Manufacturer="Vishay Siliconix", Max Operating Temperature=150°C, Max Power Dissipation=1.25W, Min Operating Temperature=-55°C, Package Quantity=3000, Supplier Part Number=SI1967DH-T1-E3CT-ND, Category=MOSFETs, ComponentLink1Description=https://datasheet.ciiva.com/930/si1967dh-930084.pdf?src-supplier=Digikey, ComponentLink1URL=https://datasheet.ciiva.com/930/si1967dh-930084.pdf?src-supplier=Digikey, ComponentLink2Description=https://datasheet.ciiva.com/11161/si1967dh-11161099.pdf?src-supplier=Avnet, ComponentLink2URL=https://datasheet.ciiva.com/11161/si1967dh-11161099.pdf?src-supplier=Avnet, Fall Time=27ns, Height=1mm, Lead Free="Lead Free", Length=2mm, Manufacturer Part Number=SI1967DH-T1-E3, Mounting Technology="Surface Mount", Number of Channels=2, Packaging="Tape and Reel", Polarity=P-CHANNEL, Pricing="1=0,66, 10=0,409, 100=0,2622, 500=0,19876, 1000=0,16922 (USD)", Radiation Hardening=No, Rds On Max=490mR, Rise Time=27ns, RoHS=No, RoHS Compliant=Yes, Series=TrenchFET®, Stock=6717, Supplier=Digikey, Supplier 1=Digikey, Supplier Part Number 1=SI1967DH-T1-E3CT-ND, Turn-Off Delay Time=15ns, Turn-On Delay Time=12ns, Weight=0.000988oz, Width=1.25mm
Q3 Q5: "MOSFET 2N-CH 60V 0.261A SOT363", Manufacturer=Diodes, Supplier Part Number=31-2N7002DWK-7CT-ND, Category=Uncategorized, Manufacturer Part Number=2N7002DWK-7, Pricing="1=0,21, 10=0,142, 100=0,0931, 500=0,07452, 1000=0,06584 (USD)", RoHS=No, Stock=2664, Supplier=Digikey, Supplier 1=Digikey, Supplier Part Number 1=31-2N7002DWK-7CT-ND
R1 R2 R3 R4 R5 R6 R36 R40 R43 R73 R80 R87 R101 R108 R111: library part RES0402-30k-1%, "0402 30K Ohms 1% High Power Thick Film Surface Mount Chip Resistor", Case Code (Imperial)=0402, Case Code (Metric)=1005, Manufacturer=Vishay, Manufacturer Package Identifier=CRCW0402-HPe3, Manufacturer Part Number=CRCW040230K0FKEDHP, Max Operating Temperature=155°C, Max Power Dissipation=125mW, Min Operating Temperature=-55°C, Power Dissipation=200mW, Supplier Part Number=CRCW040230K0FKEDHPCT-ND, Temperature Coefficient=100ppm/°C, Tolerance=1%, Voltage Rating=50V, Case/Package=0402, Category="Chip SMD Resistors", China RoHS=Non-Compliant, ComponentLink1Description=https://datasheet.octopart.com/CRCW040230K0FKEDHP-Vishay-datasheet-83567917.pdf, ComponentLink1URL=https://datasheet.octopart.com/CRCW040230K0FKEDHP-Vishay-datasheet-83567917.pdf, ComponentLink2Description=https://datasheet.octopart.com/D-CRCW-e3-Standard-Thick-Film-Chip-Resistors-Vishay-datasheet-family-64.pdf, ComponentLink2URL=https://datasheet.octopart.com/D-CRCW-e3-Standard-Thick-Film-Chip-Resistors-Vishay-datasheet-family-64.pdf, ComponentLink3Description=https://datasheet.octopart.com:443/CRCW040230K0FKEDHP-Vishay-datasheet-137113427.pdf?src-supplier=X-ON, ComponentLink3URL=https://datasheet.octopart.com:443/CRCW040230K0FKEDHP-Vishay-datasheet-137113427.pdf?src-supplier=X-ON, ComponentLink4Description=https://datasheet.octopart.com:443/CRCW040230K0FKEDHP-Vishay-datasheet-62316122.pdf?src-supplier=Future+Electronics, ComponentLink4URL=https://datasheet.octopart.com:443/CRCW040230K0FKEDHP-Vishay-datasheet-62316122.pdf?src-supplier=Future+Electronics, ComponentLink5Description=http://sigma.octopart.com:80/rohs_certificate/D-CRCW-e3-Standard-Thick-Film-Chip-Resistors-Vishay-family-102.pdf?src-supplier=Compliance+Statements, ComponentLink5URL=http://sigma.octopart.com:80/rohs_certificate/D-CRCW-e3-Standard-Thick-Film-Chip-Resistors-Vishay-family-102.pdf?src-supplier=Compliance+Statements, Composition="Thick Film", Contact Plating=Tin, Features="Automotive AEC-Q200", Height=300µm, Lead Free="Lead Free", Length=990.6µm, Lifecycle Status=Production, Mounting Technology="Surface Mount", Number of Terminals=2, Number of Terminations=2, Packaging=Digi-Reel®, Power Rating=200mW, Pricing="1=0,13, 10=0,061, 25=0,0472, 50=0,0392, 100=0,0331, 250=0,027, 500=0,0235, 1000=0,02072, 5000=0,01631 (USD)", Radiation Hardening=No, REACH SVHC=Yes, Resistance=30kΩ, RoHS=Compliant, Stock=9449, Supplier=DigiKey, Supplier 1=DigiKey, Supplier Part Number 1=CRCW040230K0FKEDHPCT-ND, Width=500µm, Working Voltage=50V
R7 R9 R11 R13 R15 R16 R18 R19 R21 R30 R31 R32 R33 R37 R44 R49 R65 R66 R69 R76 R83 R88 R90 R91: library part RES0402-1k-1%, "Res Thick Film 0402 1K Ohm 1% 0.063W(1/16W) ±50ppm/C Pad SMD Automotive T/R", Case/Package=0402, Manufacturer=Vishay, Manufacturer Part Number=CRCW04021K00FHEDP, Max Operating Temperature=155°C, Max Power Dissipation=63mW, Min Operating Temperature=-55°C, Supplier Part Number=CRCW04021K00FHEDP-ND, Temperature Coefficient=50ppm/°C, Tolerance=1%, Voltage Rating=50V, Category="Chip SMD Resistors", China RoHS=Non-Compliant, ComponentLink1Description=https://datasheet.octopart.com:443/CRCW04021K00FHEDP-Vishay-datasheet-182027415.pdf?src-supplier=IHS, ComponentLink1URL=https://datasheet.octopart.com:443/CRCW04021K00FHEDP-Vishay-datasheet-182027415.pdf?src-supplier=IHS, ComponentLink2Description=https://datasheet.octopart.com:443/CRCW04021K00FHEDP-Vishay-Dale-datasheet-141207190.pdf?src-supplier=Upverter, ComponentLink2URL=https://datasheet.octopart.com:443/CRCW04021K00FHEDP-Vishay-Dale-datasheet-141207190.pdf?src-supplier=Upverter, ComponentLink3Description=http://sigma.octopart.com:80/rohs_statement/Vishay-company-15.pdf?src-supplier=Compliance+Statements, ComponentLink3URL=http://sigma.octopart.com:80/rohs_statement/Vishay-company-15.pdf?src-supplier=Compliance+Statements, Composition="Thick Film", Contact Plating=Tin, Depth=500µm, Features="Automotive AEC-Q200", Height=350µm, Length=990.6µm, Lifecycle Status=Production, Military Standard=Not, Mounting Technology="Surface Mount", Number of Terminals=2, Number of Terminations=2, Packaging="Tape & Reel", Power Dissipation=63mW, Power Rating=63mW, Pricing="10000=0,03252 (USD)", Radiation Hardening=No, REACH SVHC=Yes, Resistance=1kΩ, RoHS=Compliant, Supplier=DigiKey, Supplier 1=DigiKey, Supplier Part Number 1=CRCW04021K00FHEDP-ND, Width=500µm, Working Voltage=50V